# Altium PCB Starboard Solar Panel 2U.PcbDoc (continued)
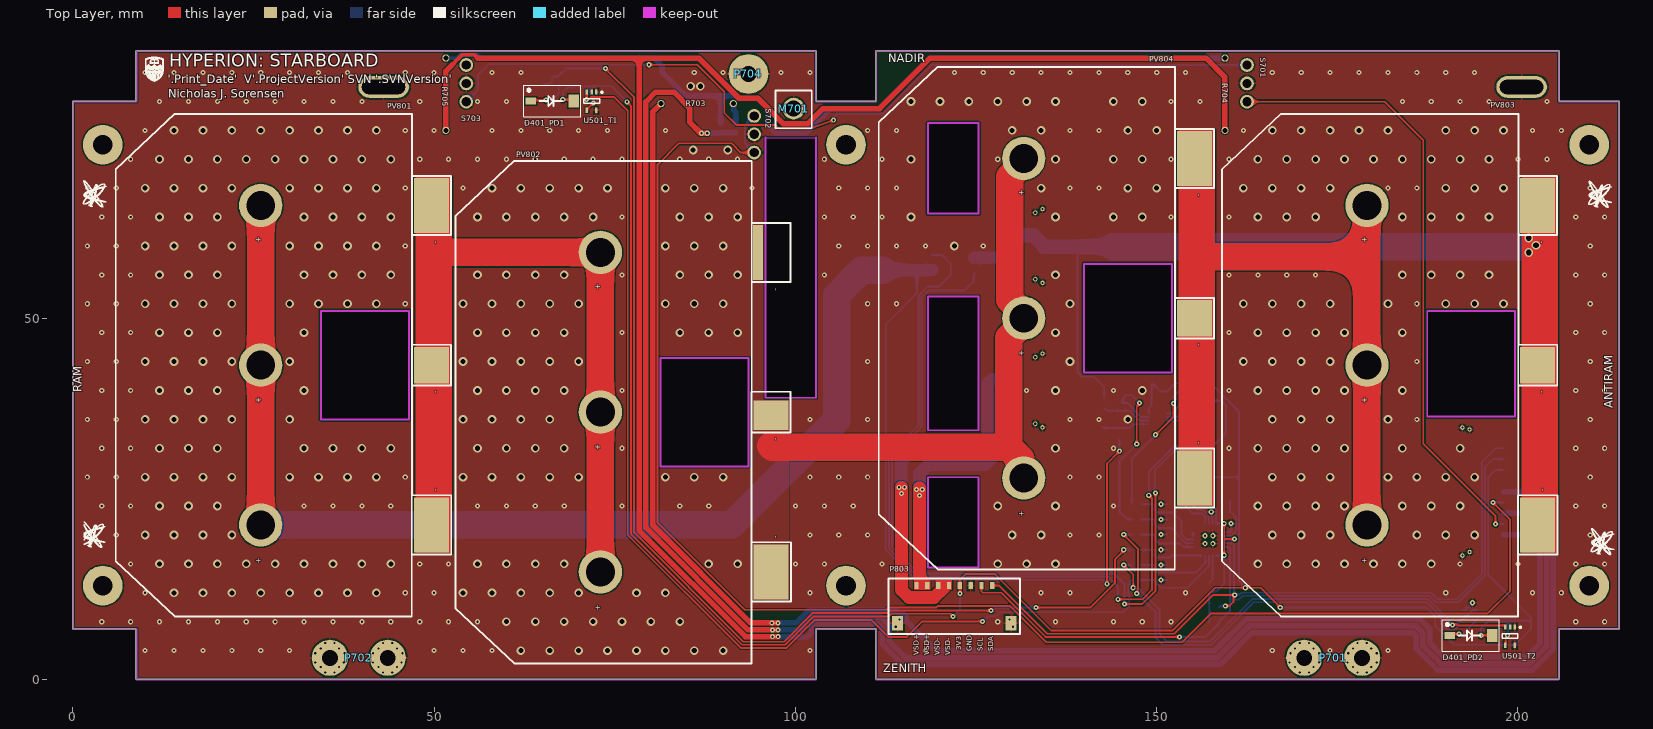
[diagram p0: Top Layer view]
## Part data (continued)
R701 R702: library part 13128, "RES SMD 0.0OHM JUMPER 1/10W 0603", Manufacturer Part Number=ERJ-3GEY0R00V, Power="0.1W, 1/10W", Supplier Part Number 1=P0.0GCT-ND, Temperature Coefficient=-, PackageDescription="Chip Resistor, 2-Leads, Body 1.60x0.80mm, IPC Low Density", PackageReference="0603 (1608 Metric)", Part Number=13128, Supplier 1=Digi-Key, Supplier Link=http://www.digikey.ca/product-search/en?keywords=P0.0GCT-ND, Tolerance=Jumper, Type=Jumper
R703 R704 R705: library part PR-VSH-00317, "21 Ohms ±1% 1W Through Hole Resistor Axial Flame Proof, Moisture Resistant, Safety Metal Film", Manufacturer Part Number=CPF121R000FKEE6, Power - Rated=1W, Supplier Part Number 1=CPF21.0CCT-ND, Temperature Coefficient=±100ppm/°C, Tolerance=±1%, Index=317, LatestRevisionDate=2/27/2020, LatestRevisionNote=..., PackageDescription="Chip Resistor", PackageReference=VSH-CPF1, Part Number=PR-VSH-00317, Published=2/27/2020, Publisher=AlbertaSat, Supplier 1=Digi-key, Supplier Link=#https://www.digikey.ca/product-detail/en/vishay-dale/CPF121R000FKEE6/CPF21.0CCT-ND/2713126#
S701 S702 S703: library part 20035, "SWITCH SNAP ACT SPDT 500MA 30V", Supplier Part Number 1=255-3743-ND, Manufacturer Part Number=AV4424, Part Number=20035, Supplier 1=Digi-Key, Supplier Link=#https://www.digikey.com/product-detail/en/panasonic-electric-works/AV4424/255-3743-ND/646766#
U201: library part PU-ADI-00006, "IC ADC 12BIT SAR 20LFCSP", Manufacturer Part Number=AD7291TCPZ-EP, Supplier Part Number 1=AD7291TCPZ-EP-ND, Index=6, LatestRevisionDate=2019-07-16, LatestRevisionNote=..., PackageDescription="QFN, 20-Leads, Body 4.00x4.00mm, Pitch 0.50mm, Thermal Pad 2.55x2.55mm, IPC Low Density", PackageReference="20-WFQFN Exposed Pad", Part Number=PU-ADI-00006, Published=2019-07-16, Publisher=AlbertaSat, Supplier 1=Digi-key, Supplier 2=Mouser, Supplier Link=#https://www.digikey.ca/products/en?keywords=AD7291TCPZ-EP-ND#, Supplier Part Number 2=584-AD7291TCPZ-EP
U501_T1 U501_T2: library part 136, "LOW-POWER HIGH-ACCURACY ANALOG O", Operating Temperature="-40°C~150°C (TJ)", Supplier Part Number 1=296-TMP235AEDCKRQ1CT-ND, Manufacturer Part Number=TMP235AEDCKRQ1, PackageReference=SC-70-5, Part Number=136, Supplier 1=Digi-Key, Supplier Link=#https://www.digikey.ca/en/products/detail/texas-instruments/TMP235AEDCKRQ1/11308802#

## Free pads (board coordinates)
  oval 7x3 hole 2 slot 6 at 0 deg: 5(43,82) 5(200.5,82)
  round 5.5 hole 2.7: CHASSIS(4.15,13) CHASSIS(4.15,74) CHASSIS(107,13) CHASSIS(107,74) CHASSIS(209.85,13) CHASSIS(209.85,74)

## Via types
v1: diameter 1.2, hole 0.7, Top Layer to Bottom Layer, 343 vias
v2: diameter 0.71, hole 0.3, Top Layer to Bottom Layer, tented both sides, 260 vias
v3: diameter 0.7, hole 0.3, Top Layer to Bottom Layer, tented both sides, 65 vias
v4: diameter 0.655, hole 0.3, Top Layer to Bottom Layer, 48 vias
v5: diameter 0.711, hole 0.33, Top Layer to Bottom Layer, tented top, 4 vias
v6: diameter 1.2, hole 0.8, Top Layer to Bottom Layer, tented both sides, 3 vias

## Nets (pads, with @x,y where several pads share a name; then routed paths per layer and width w, separated by ;. In a path a pad name is that pad's centre, name@x,y a point inside that pad or via, vN(x,y) a via of type N, cw(c..) or ccw(c..) an arc to the next point about the centre after c; other vN are vias at no path point)
3V3: C203.1 C204.2 C301.2 C401_PD1.2 C401_PD2.2 C501_T1.2 C501_T2.2 D401_PD1.2 D401_PD2.2 OP301.8 P801.7 P803.5 R101.2 R103.2 R104.2 U201.10 U201.13 U201.16 U501_T1.4 U501_T2.4 | length 339.2
  Top Layer w0.254: v3(67.8,80.25) 69.1,80.25 D401_PD1.2 ; U501_T1.4 71.15,78.917 72.008,79.774 v3(72.026,79.774) ; v3(76.7,79.95) 77.235,79.415 77.235,20.175 92.608,4.802 98.602,4.802 102.525,8.725 112.889,8.725 113.269,9.105 121.415,9.105 v3(121.825,8.695) ; v3(122.8,11.9) 122.775,11.925 122.775,12.975 P803.5 122.75,13.8 123.55,14.6 127.6,14.6 135.443,6.757 152.165,6.757 158.102,12.693 v3(162.261,12.693) 164.378,12.693 v3(167.1,9.971) ; v3(159.339,17.193) 159.339,19.385 ; v3@159.37,21.544 v3(159.339,21.576) 159.339,19.385 ; v3(160.781,19.434) 159.388,19.434 159.339,19.385 ; v3(194.9,6.1) D401_PD2.2 ; U501_T2.4 198.3,4.784 198.3,5.745 198.534,5.979 v3(198.534,6.1)
  Bottom Layer w0.254: v3(67.8,80.25) 67.8,81.25 68.471,81.921 69.209,81.921 C401_PD1.2 69.383,82.095 71.46,82.095 C501_T1.2 ; v3@72.025,79.775 72.025,80.759 71.465,81.319 C501_T1.2 ; v3(76.7,79.95) 74.55,82.1 C501_T1.2 ; v3(121.825,8.695) 121.825,8.725 122.8,9.7 v3(122.8,11.9) ; OP301.8 148.903,37.547 149.298,37.942 C301.2 149.568,40.873 150.598,39.843 151.389,39.843 152.539,40.993 157.481,40.993 161.371,37.104 161.371,27.993 ; R104.2 157.273,7.915 R101.2 ; R101.2@157.739,12.193 158.292,12.193 159.339,13.24 v3(159.339,17.193) 159.298,17.153 U201.16 ; v3(159.339,21.576) 158.252,21.576 U201.10 158.229,23.456 157.081,24.605 156.563,24.605 C204.2 156.563,25.518 157.413,26.368 C203.1 157.473,26.881 157.473,27.528 157.939,27.993 161.371,27.993 ; U201.13 159.452,19.376 160.722,19.376 v3(160.781,19.434) ; v3(162.261,12.693) 161.371,13.583 161.371,15.181 161.371,27.993 ; v3(167.1,9.971) 187.329,9.971 188.55,8.75 188.55,7.45 191.2,4.8 199.6,4.8 201.8,7 201.8,8.15 ; v3(194.9,6.1) 194.9,7.1 195.946,8.146 C401_PD2.2 198.596,8.146 C501_T2.2 ; P801.7 196.9,29 195.88,27.98 195.88,14.47 201.8,8.55 201.8,8.15 ; v3(198.534,6.1) 198.6,6.166 C501_T2.2 ; C501_T2.2 201.8,8.15
I_buffer_out: OP301.1 R304.2 R310.2 | length 26.6
  Top Layer w0.254: v3(149.839,33.873) 152.339,36.373 v3(152.339,38.207)
  Bottom Layer w0.254: R310.2 146.537,30.571 v3(149.839,33.873) ; OP301.1 152.023,36.823 154.373,39.173 R304.2 155.341,39.921 154.969,40.293 153.448,40.293 152.339,39.184 v3(152.339,38.207)
NetC201_2: C201.2 U201.8 | length 4.6
  Bottom Layer w0.254: C201.2 154.863,24.253 155.622,23.493 156.34,23.493 157.206,22.627 157.206,21.576 U201.8
NetC202_1: C202.1 U201.7 | length 7.1
  Bottom Layer w0.254: C202.1 154.013,23.924 154.943,22.993 156.229,22.993 156.729,22.493 U201.7
NetD401_PD1_1: D401_PD1.1 R400_PD1.2 | length 5.5
  Top Layer w0.254: D401_PD1.1 63.538,80.188 v3(65.5,80.188)
  Bottom Layer w0.254: v3(65.5,80.188) 66.288,80.188 67.25,81.15 67.25,82.274 R400_PD1.2
NetD401_PD2_1: D401_PD2.1 R400_PD2.2 | length 4.8
  Top Layer w0.254: D401_PD2.1 190.735,6.3 v3(191.848,6.3)
  Bottom Layer w0.254: v3(191.848,6.3) 192.35,6.3 R400_PD2.2
NetOP301_2: OP301.2 R303.2 R304.1 | length 7
  Bottom Layer w0.254: OP301.2 152.873,36.323 154.223,37.673 R304.1 155.641,37.373 R303.2
NetOP301_3: OP301.3 R308.2 R309.1 | length 6.7
  Bottom Layer w0.254: OP301.3 153.748,35.823 154.498,35.073 R308.2
NetOP301_5: OP301.5 R306.2 R307.1 | length 6.7
  Bottom Layer w0.254: R307.1 142.598,34.823 146.248,34.823 146.748,35.323 OP301.5
NetOP301_6: OP301.6 R301.2 R302.1 | length 6.9
  Bottom Layer w0.254: R301.2 143.102,37.198 R302.1 146.248,37.198 147.623,35.823 OP301.6
NetPV801_2: PV801.2 PV802.1 | length 68.6
  Top Layer w3.81: 49.622,59.111 PV802.1@74,59.111 ; PV802.1@73,14.889 73,37 PV802.1@73,59.111
NetPV802_2: PV802.2 PV804.1 | length 80.6
  Top Layer w3.81: 96.622,32.35 96.822,32.15 129.5,32.15 129.5,47.307 131.6,49.407 131.6,50.593 129.65,52.543 129.65,69.568 131.6,71.518 PV804.1@131.6,72.111 ; 129.5,32.218 131.181,30.537 131.181,28.308 PV804.1@131.6,27.889
NetPV803_1: PV803.1 PV804.2 | length 76.6
  Top Layer w3.81: PV804.2@155.222,50 155.222,58.5 179.1,58.5 ; PV803.1@179.1,21.389 179.1,43.5 179.1,58.5 ; PV803.1@179.1,65.611 179.1,58.5
NetR101_1: R101.1 U201.17 | length 4
  Bottom Layer w0.254: R101.1@157.26,13.393 157.739,13.872 157.739,17.143 U201.17
NetR102_1: R102.1 U201.12 | length 6.3
  Bottom Layer w0.254: U201.12 159.452,19.876 160.296,19.876 160.939,20.518 160.939,22.461 160.151,23.25 R102.1
NetR303_1: R303.1 R305.3 | length 122.3
  Top Layer w0.254: v3(145.539,10.446) 148.006,10.446 149.839,12.278 v3(149.839,25.793)
  Bottom Layer w0.254: R305.3 124.705,56.086 124.705,55.145 123.384,53.824 118.427,53.824 117.45,52.848 117.45,34.969 113.364,30.883 113.364,18.336 117.036,14.664 144.115,14.664 145.539,13.24 v3(145.539,10.446) ; v3(149.839,25.793) 149.839,25.796 149.741,25.893 149.741,28.986 152.349,31.593 157.069,31.593 159.576,34.1 159.576,37.942 158.944,38.573 R303.1
NetR305_4: R305.4 R308.1 | length 115.6
  Top Layer w0.254: v3(144.663,11.1) 148.05,11.1 149.339,12.389 149.339,25.058 v3(148.903,25.493)
  Bottom Layer w0.254: R305.4 120.237,58.77 121.5,57.507 121.5,56 119.9,54.4 118.35,54.4 117.45,53.5 117.45,53.47 117.018,53.039 117.018,35.148 112.932,31.062 112.932,18.158 116.858,14.232 143.268,14.232 144.663,12.837 v3(144.663,11.1) ; v3(148.903,25.493) 148.903,28.758 152.439,32.293 156.629,32.293 157.577,33.241 157.577,33.709 R308.1
NetR400_PD1_1: R400_PD1.1 R401_PD1.2 R402_PD1.2 | length 157.9
  Top Layer w0.254: v3(73.711,84.55) 77.667,80.594 77.667,20.354 92.787,5.234 98.424,5.234 102.408,9.218 112.771,9.218 113.09,9.537 v3(127.061,9.537) ; v3(133.3,9.95) 140.8,9.95 144.25,13.4 144.25,16.643 145.439,17.832 v3(145.439,17.953)
  Bottom Layer w0.254: R401_PD1.2 65.846,82.346 66.35,82.85 66.35,83.25 66.55,83.45 67.126,83.45 R400_PD1.1 67.321,83.595 68.276,84.55 v3(73.711,84.55) ; v3(127.061,9.537) 127.182,9.537 127.595,9.95 v3(133.3,9.95) ; v3(145.439,17.953) R402_PD1.2
NetR400_PD2_1: R400_PD2.1 R401_PD2.2 R402_PD2.2 | length 68.3
  Top Layer w0.254: v3(145.439,20.053) 147.403,18.089 147.403,12.422 147.324,12.344 147.324,11.985 v3(147.239,11.9)
  Bottom Layer w0.254: v3(145.439,20.053) R402_PD2.2 ; v3(147.239,11.9) 149.839,9.3 149.839,5.761 150.793,4.807 157.531,4.807 163.406,10.682 187.382,10.682 189.317,8.747 189.317,7.772 190.198,6.89 191.204,6.89 191.595,7.282 191.595,7.732 192.26,8.396 192.496,8.396 193.696,9.596 194.346,9.596 R400_PD2.1
NetR501_T1_2: R501_T1.2 U501_T1.3 | length 150.4
  Top Layer w0.254: v3(71.1,80.25) v3@71.125,80.275 ; U501_T1.3 71.125,81.291 v3@71.125,80.275 ; v3(125.899,8.049) 122.104,8.049 122.096,8.04 117.58,8.04 115.433,5.893 112.867,5.893 110.516,8.245 102.655,8.245 98.781,4.371 92.429,4.371 76.8,20 76.8,78.7 74.906,80.594 71.699,80.594 71.44,80.335 71.185,80.335 v3@71.125,80.275
  Bottom Layer w0.254: v3(125.899,8.049) 126.592,8.742 127.742,8.742 128.295,9.295 145.363,9.295 146.194,10.126 146.194,11.495 146.093,11.596 146.093,12.965 146.293,13.165 146.293,13.513 R501_T1.2
NetR501_T2_2: R501_T2.2 U501_T2.3 | length 65.7
  Top Layer w0.254: v3(145.439,15.842) 146.748,14.533 v3(146.748,12.693) ; v3(190.933,7.545) 191.018,7.631 191.604,7.631 191.63,7.656 191.791,7.495 198.154,7.495 198.25,7.398 U501_T2.3
  Bottom Layer w0.254: v3(145.439,15.842) R501_T2.2 ; v3(146.748,12.693) 146.833,12.608 147.457,12.608 150.373,9.692 150.373,6.307 151.441,5.239 157.352,5.239 159.856,7.743 163.263,11.15 187.524,11.15 190.424,8.25 190.424,8.07 190.933,7.562 v3(190.933,7.545)
NetR701_2: R701.2 R704.2 R705.2 | length 122.5
  Bottom Layer w0.508: R705.2 53.177,86 53.601,86.424 56.026,86.424 56.45,86
  Bottom Layer w0.762: 56.45,86 80.428,86 81.577,84.851 81.577,84.002 84.82,80.759 89.644,80.759 ; R701.2 89.644,76.956 89.644,80.759 ; R704.2 118.65,86 111.65,79 104.855,79 101.49,75.635 97.208,75.635 96.185,76.658 96.185,79.009 94.742,80.451 93.674,80.451 92.169,80.451 91.862,80.759 89.644,80.759
NetR702_2: R702.2 R703.2 | length 2.9
  Bottom Layer w0.762: R703.2 91.446,79.654 91.446,78.784 91.75,78.48 R702.2
NetS701_3: S701.3 S703.2 | length 120.6
  Top Layer w0.254: v3(79.718,85.078) 86.427,85.078 90.15,81.355 90.15,78.4 91.803,76.747 93.986,76.747 94.016,76.717 97.22,76.717 97.682,76.255 102.023,76.255 v3(105.271,77.404)
  Bottom Layer w0.254: S703.2 56.059,81.569 56.059,83.609 57.655,85.205 73.982,85.205 74.109,85.078 v3(79.718,85.078) ; v3(105.271,77.404) 105.186,77.489 105.186,77.681 105.169,77.697 105.52,78.048 105.52,78.07 105.7,78.25 105.7,78.314 112.1,78.314 118.826,85.04 S701.3
SCL: P801.8 P803.7 R104.1 U201.15 | length 104.4
  Top Layer w0.254: P803.7 125.75,12.164 125.899,12.015 128.485,12.015 134.607,5.893 v3(153.163,5.893)
  Bottom Layer w0.254: v3(153.163,5.893) 156.776,5.893 158.637,7.754 158.637,8.004 160.151,9.518 160.151,11.088 ; U201.15 160.029,18.353 160.151,18.231 160.151,11.088 ; P801.8 196.535,30.5 196.135,30.1 195.432,29.397 195.432,14.379 191.735,10.682 188.603,10.682 187.703,11.582 161.909,11.582 161.371,11.043 160.196,11.043 160.151,11.088
SDA: P801.9 P803.8 R103.1 U201.14 | length 105.6
  Top Layer w0.254: P803.8 128.2,13 134.875,6.325 152.452,6.325 157.825,11.698 160.631,11.698 v3(160.805,11.698) ; v3(159.496,10.18) 160.079,10.18 160.631,10.732 160.631,11.613 v3@160.716,11.698
  Bottom Layer w0.254: R103.1 158.848,10.18 v3(159.496,10.18) ; U201.14 160.48,18.853 160.716,18.616 v3@160.716,11.698 ; v3(160.805,11.698) 160.891,11.784 161.5,11.784 161.73,12.014 187.984,12.014 188.884,11.114 191.556,11.114 195,14.558 195,30.1 196.9,32 P801.9
StarboardKnifeReturn: P801.5 R704.1 R705.1 | length 369.2
  Top Layer w0.508: 52.45,85.04 53.851,86.441 55.588,86.441 56.03,86
  Top Layer w0.762: R705.1 51.622,84.212 52.45,85.04 ; 56.03,86 78.353,86 ; v3(96.822,5.92) v3(97.606,5.92) ; v3(96.822,5.92) 93.071,5.92 78.353,20.638 78.353,86 ; R704.1 159.45,83.35 156.8,86 118.65,86 111.65,79 103.798,79 101.739,76.941 98.311,76.941 94.787,80.465 92.156,80.465 86.621,86 78.353,86
  Bottom Layer w0.762: v3(96.822,5.92) v3(97.606,5.92) 101.718,5.92 102.164,6.366 102.164,7.284 102.566,7.686 111.434,7.686 112.046,7.073 112.046,4.875 114.821,2.1 158.808,2.1 163.208,6.5 185.464,6.5 185.91,6.054 185.91,4.266 188.927,1.25 201.95,1.25 204.9,4.2 204.9,21.719 200.619,26 P801.5
SwitchDeployable_S: P801.2 S701.2 | length 85
  Top Layer w0.254: S701.2 181.59,79.96 186.9,74.65 186.9,32.6 196.9,22.6 v3(196.9,21.5)
  Bottom Layer w0.254: v3(196.9,21.5) P801.2
SwitchUHF_S: P801.4 S702.2 S702.3 | length 214.7
  Top Layer w0.254: S702.3 92.452,72.92 91.167,74.205 83.865,74.205 80.918,71.258 80.918,21.701 92.969,9.65 112.593,9.65 112.911,9.968 119.507,9.968 119.73,10.191 129.659,10.191 134.7,5.15 153.55,5.15 157.55,9.15 195.8,9.15 198.9,12.25 198.9,22.135 v3(196.535,24.5)
  Bottom Layer w0.254: S702.3 93.043,74.177 93.043,76.743 S702.2 ; S702.2@94.3,77.573 S702.2 ; S702.2@94.3,78.582 S702.2 ; v3(196.535,24.5) P801.4
UHFKnifeReturn_S: P801.1 R703.1 | length 215.9
  Top Layer w0.762: R703.1 80.232,78.532 80.232,21.417 93.81,7.84 v3@96.722,7.84 ; v3@96.722,7.832 v3@96.731,7.823 ; v3(96.731,7.831) v3(97.581,7.831)
  Bottom Layer w0.762: v3(96.731,7.831) v3(97.581,7.831) 100.053,7.831 101.787,9.565 113.905,9.565 114.261,9.209 114.771,9.209 115.304,8.676 115.304,8.166 119.49,3.98 158.03,3.98 162.43,8.38 186.429,8.38 187.79,7.018 187.79,5.045 189.705,3.13 201.171,3.13 203.02,4.979 203.02,17.58 200.6,20 P801.1
V+: PV801.1 R305.1 R306.1 | length 255.7
  Top Layer w0.254: v3(143.138,13.24) 143.138,29.892 v3(144.839,31.593)
  Top Layer w3.81: PV801.1@26,21.389 26,43.5 PV801.1@26,65.611
  Bottom Layer w0.254: 116.8,56.665 116.8,53.431 112.5,49.131 112.5,17.979 116.679,13.8 142.643,13.8 142.643,13.734 v3(143.138,13.24) ; v3(144.839,31.593) 144.839,33.164 R306.1
  Bottom Layer w1.651: 112.1,56.665 116.8,56.665 R305.1
  Bottom Layer w3.81: PV801.1@26,21.389 91.178,21.389 105.7,35.911 105.7,53.165 109.2,56.665 112.1,56.665
V-: P805.1 P805.2 PV803.2 R301.1 | length 97.2
  Bottom Layer w0.254: 139.192,59.9 139.05,59.758 139.05,42.5 139.65,41.9 141.3,41.9 142.752,40.448 R301.1
  Bottom Layer w2.032: 129.25,61.5 132.9,61.5 134.5,59.9 ; 129.275,61.55 129.275,61.609 ; 134.385,59.9 134.5,59.9 ; 144,59.9 139.192,59.9 134.5,59.9
  Bottom Layer w3.81: 144,59.9 v6@202.25,59.9
  other v6: 201.5,59.1 202.5,60.1 201.5,61.1
V_buffer_out: OP301.7 R302.2 R311.2 | length 26.5
  Top Layer w0.254: v3(147.239,32.593) 147.239,37.769 147.623,38.153 v3(147.623,38.273)
  Bottom Layer w0.254: R311.2 145.939,22.153 144.848,23.243 144.848,30.203 v3(147.239,32.593) ; v3(147.623,38.273) 146.568,39.328 145.727,39.328 145.39,38.991 145.39,38.671 145.117,38.398 R302.2 145.227,38.273 145.939,38.273 147.889,36.323 OP301.7
V_out: P805.3 P805.4 R305.2 | length 4.5
  Bottom Layer w1.651: R305.2 124.705,58.392 128.5,58.392 129.193,58.392
VIN0: C502_T1.2 R501_T1.1 U201.18 | length 12.7
  Bottom Layer w0.254: R501_T1.1 149.741,13.761 149.741,13.561 150.286,13.015 150.608,12.693 154.243,12.693 157.229,15.679 U201.18
VIN1: C502_T2.2 R501_T2.1 U201.19 | length 11.3
  Bottom Layer w0.254: R501_T2.1 C502_T2.2 ; C502_T2.2 149.736,15.096 150.039,14.793 155.379,14.793 156.729,16.143 U201.19
VIN2: C402_PD1.2 R402_PD1.1 U201.20 | length 9.4
  Bottom Layer w0.254: R402_PD1.1 149.736,17.952 149.736,17.147 149.99,16.893 151.839,16.893 152.098,17.153 U201.20
VIN3: C402_PD2.2 R402_PD2.1 U201.1 | length 8.3
  Bottom Layer w0.254: R402_PD2.1 C402_PD2.2 149.737,19.439 150.373,18.803 153.298,18.803 153.748,18.353 U201.1
VIN4: C303.2 R311.1 U201.2 | length 9
  Bottom Layer w0.254: R311.1 C303.2 149.737,21.495 150.255,20.977 151.984,20.977 153.016,19.945 153.016,19.874 153.969,18.921 154.04,18.921 154.108,18.853 U201.2
VIN5: C302.2 R310.1 U201.3 | length 10.7
  Bottom Layer w0.254: R310.1 C302.2 149.737,23.504 150.148,23.093 152.248,23.093 153.448,21.894 153.448,20.053 154.148,19.353 U201.3
VIN6: C201.1 C202.2 C203.2 C204.1 C301.1 C302.1 C303.1 C401_PD1.1 C401_PD2.1 C402_PD1.1 C402_PD2.1 C501_T1.1 C501_T2.1 C502_T1.1 C502_T2.1 M701.1 OP301.4 OP301.9 P701.1 P702.1 P704.1 P801.6 P801.M1 P801.M2 P803.6 P803.M1 P803.M2 P804.M1 P804.M2 P805.M1 P805.M2 pad.5 R102.2 R307.2 R309.2 R401_PD1.1 R401_PD2.1 S701.1 S702.1 S703.1 U201.4 U201.5 U201.6 U201.9 U201.11 U201.21 U501_T1.1 U501_T1.2 U501_T1.5 U501_T2.1 U501_T2.2 U501_T2.5 | length 11.2
  Bottom Layer w0.254: v3(150.595,15.842) C502_T2.1@151.434,15.842 ; v3(150.596,17.953) C402_PD1.1@151.435,17.953 ; v3(150.596,20.053) C402_PD2.1@151.435,20.053 ; v3(150.596,22.153) C303.1@151.435,22.153 ; v3(150.598,24.253) C302.1 ; v3(150.6,13.76) C502_T1.1@151.44,13.76 ; U201.4 U201.5 ; v3(157.552,23.207) 157.439,23.093 157.729,22.803 U201.9 ; U201.11 159.452,20.376 160.052,20.376 160.411,20.735 160.411,20.82 160.369,20.862 160.369,21.49 v3(160.284,21.576) ; R401_PD2.1 192.675,9.596 v3(193.696,10.617)
  other v1: 62,4 66,4 70,4 74,4 78,4 82,4 86,4 90,4 60,8 64,8 68,8 72,8 76,8 80,8 84,8 14,12 18,12 22,12 26,12 30,12 34,12 38,12 42,12 54,12 58,12 62,12 66,12 70,12 78,12 82,12 12,16 16,16 20,16 24,16 28,16 32,16 36,16 40,16 44,16 56,16 60,16 64,16 68,16 88,16 92,16 128,16 132,16 136,16 164,16 168,16 172,16 176,16 180,16 184,16 188,16 10,20 14,20 18,20 22,20 130,20 134,20 166,20 170,20 174,20 186,20 190,20 194,20 12,24 16,24 20,24 128,24 136,24 164,24 168,24 172,24 176,24 184,24 188,24 192,24 10,28 14,28 18,28 22,28 30,28 34,28 38,28 42,28 54,28 58,28 62,28 66,28 70,28 82,28 86,28 90,28 166,28 170,28 174,28 182,28 186,28 190,28 194,28 12,32 16,32 20,32 32,32 36,32 40,32 44,32 56,32 60,32 64,32 68,32 136,32 164,32 168,32 172,32 176,32 184,32 192,32 10,36 14,36 18,36 22,36 30,36 54,36 58,36 62,36 66,36 146,36 166,36 170,36 174,36 182,36 12,40 16,40 20,40 32,40 56,40 60,40 64,40 68,40 136,40 148,40 164,40 168,40 172,40 176,40 184,40 10,44 14,44 18,44 22,44 30,44 54,44 58,44 62,44 66,44 70,44 138,44 162,44 166,44 170,44 174,44 12,48 16,48 20,48 32,48 56,48 60,48 64,48 68,48 84,48 88,48 92,48 136,48 164,48 168,48 172,48 176,48 184,48 10,52 14,52 18,52 22,52 30,52 34,52 38,52 42,52 54,52 58,52 62,52 66,52 70,52 82,52 86,52 90,52 138,52 162,52 166,52 170,52 174,52 182,52 190,52 194,52 198,52 12,56 16,56 20,56 32,56 36,56 40,56 44,56 56,56 60,56 64,56 68,56 84,56 88,56 92,56 136,56 184,56 188,56 192,56 196,56 10,60 14,60 18,60 22,60 30,60 34,60 38,60 42,60 82,60 86,60 90,60 122,60 12,64 16,64 20,64 32,64 36,64 40,64 44,64 56,64 60,64 64,64 68,64 72,64 84,64 88,64 92,64 116,64 136,64 144,64 148,64 164,64 168,64 172,64 184,64 188,64 192,64 196,64 10,68 14,68 18,68 22,68 30,68 34,68 38,68 42,68 58,68 62,68 66,68 70,68 74,68 82,68 86,68 90,68 134,68 146,68 150,68 162,68 166,68 170,68 174,68 190,68 194,68 198,68 12,72 16,72 20,72 24,72 28,72 32,72 36,72 40,72 44,72 116,72 136,72 144,72 148,72 164,72 168,72 172,72 176,72 180,72 184,72 188,72 192,72 196,72 85.839,73.29 90.634,73.29 14,76 18,76 22,76 26,76 30,76 34,76 38,76 42,76 130,76 134,76 146,76 150,76 166,76 170,76 174,76 178,76 182,76 190,76 194,76 198,76 116,80 120,80 124,80 128,80 132,80 136,80 144,80 148,80 85.5,82.1 86.839,82.1
  other v2: 10,4 14,4 18,4 22,4 26,4 30,4 50,4 54,4 58,4 102,4 118,4 166,4 174,4 182,4 4,8 8,8 12,8 16,8 20,8 24,8 28,8 32,8 36,8 40,8 44,8 48,8 52,8 56,8 128,8 136,8 144,8 148,8 152,8 208,8 212,8 10,12 46,12 50,12 102,12 134,12 138,12 154,12 190,12 202,12 206,12 8,16 48,16 52,16 100,16 104,16 112,16 192,16 200,16 208,16 212,16 2,20 6,20 102,20 106,20 110,20 138,20 142,20 210,20 4,24 8,24 32,24 36,24 40,24 44,24 56,24 60,24 64,24 68,24 76,24 84,24 88,24 100,24 104,24 108,24 144,24 208,24 212,24 2,28 6,28 46,28 102,28 106,28 110,28 138,28 142,28 210,28 4,32 8,32 76,32 144,32 160,32 208,32 212,32 2,36 6,36 102,36 110,36 138,36 142,36 186,36 210,36 4,40 8,40 76,40 132,40 144,40 160,40 208,40 212,40 2,44 6,44 110,44 186,44 210,44 4,48 8,48 76,48 160,48 208,48 212,48 2,52 6,52 46,52 110,52 114,52 186,52 210,52 4,56 8,56 76,56 104,56 160,56 164,56 168,56 172,56 208,56 212,56 2,60 6,60 46,60 106,60 110,60 114,60 118,60 126,60 210,60 4,64 8,64 76,64 104,64 108,64 112,64 152,64 160,64 208,64 212,64 2,68 6,68 46,68 54,68 94,68 106,68 110,68 114,68 138,68 142,68 182,68 186,68 210,68 8,72 48,72 52,72 56,72 60,72 64,72 68,72 72,72 76,72 84,72 88,72 92,72 104,72 112,72 128,72 152,72 160,72 200,72 204,72 10,76 46,76 50,76 58,76 62,76 66,76 70,76 74,76 82,76 110,76 114,76 138,76 142,76 162,76 202,76 206,76 12,80 16,80 20,80 24,80 28,80 32,80 36,80 40,80 48,80 56,80 60,80 152,80 156,80 184,80 188,80 192,80 196,80 204,80 10,84 14,84 18,84 22,84 26,84 30,84 34,84 38,84 46,84 50,84 58,84 62,84 86,84 90,84 98,84 102,84 122,84 126,84 130,84 134,84 138,84 142,84 146,84 150,84 154,84 166,84 170,84 174,84 178,84 182,84 186,84 190,84 194,84
  other v4: 34.94,0.968 36.21,0.968 42.94,0.968 44.21,0.968 169.79,0.968 171.06,0.968 177.79,0.968 179.06,0.968 34.305,1.73 36.845,1.73 42.305,1.73 44.845,1.73 169.155,1.73 171.695,1.73 177.155,1.73 179.695,1.73 33.543,2.365 37.48,2.365 41.543,2.365 45.48,2.365 168.393,2.365 172.457,2.365 176.393,2.365 180.457,2.365 33.543,3.635 37.607,3.635 41.543,3.635 45.607,3.635 168.52,3.635 172.457,3.635 176.52,3.635 180.457,3.635 34.305,4.27 36.845,4.27 42.305,4.27 44.845,4.27 169.155,4.27 171.695,4.27 177.155,4.27 179.695,4.27 34.94,5.032 36.21,5.032 42.94,5.032 44.21,5.032 169.79,5.032 171.06,5.032 177.79,5.032 179.06,5.032
  other v5: 156.679,18.803 157.779,18.803 156.679,19.903 157.779,19.903
VKnife: P801.3 R701.1 R702.1 | length 240.7
  Top Layer w0.762: v3(87.8,75.6) v3(87,75.6) 86.9,75.6 85.35,77.15 85.35,79.108 83.167,81.291 80.65,81.291 79.293,79.934 79.293,21.028 93.46,6.86 v3@97.54,6.86
  Bottom Layer w0.762: v3(87,75.6) v3(87.8,75.6) 89.33,75.6 89.374,75.644 89.644,75.644 R701.1 R702.1 ; v3(96.822,6.86) v3(97.58,6.86) 100.778,6.86 101.224,7.306 101.224,7.673 102.177,8.626 111.823,8.626 112.986,7.463 112.986,5.264 115.21,3.04 158.419,3.04 162.819,7.44 185.853,7.44 186.85,6.443 186.85,4.656 189.316,2.19 201.561,2.19 203.96,4.589 203.96,19.943 200.903,23 P801.3
VStarD+: P803.1 P803.2 P804.3 P804.4 | length 34.2
  Top Layer w1.778: 117.156,26.529 v3(117.156,25.45) 117.156,14.132 117.5,13.788
  Bottom Layer w1.524: 128.5,31.932 P804.4
  Bottom Layer w1.778: v3@117.156,25.75 117.156,28.494 118.406,29.744 126.312,29.744 128.5,31.932
  other v3: 116.75,26.3 117.55,26.3
VStarD-: P803.3 P803.4 P804.1 P804.2 | length 48.2
  Top Layer w1.778: v3@114.665,26.6 v3(114.665,25.75) 114.665,12.375 115.706,11.333 119.183,11.333 120.55,12.7
  Bottom Layer w1.778: v3@114.65,26.05 114.65,30.24 116.429,32.02 125.591,32.02 126.632,33.061 126.632,40.932 127.2,41.5 128.25,41.5
  other v3: 114.321,26.6 115.1,26.6
pads on no net: S703.3

## Polygon pours and split planes (outlines as drawn)
VIN6 on Top Layer "NONET_L04_P-001" (solid, remove dead copper, pour order 4): -6.4,96 -0.1,89.7 219.4,89.7 219.4,3.6 223,0 -6.8,0
NetPV802_2 on Top Layer "NETPV802_2_L01_P002" (solid, remove dead copper, pour order 2): 95.611,11.008 95.653,11.05 99.05,11.05 99.05,38.65 95.617,38.65 95.619,50.2 95.619,63.039 94.1,63.039 94.1,11
VIN6 on Bottom Layer "NONET_L04_P-001" (solid, remove dead copper, pour order 1): -6.4,96 -0.1,89.7 219.4,89.7 219.4,3.6 223,0 -6.8,0

## Keep-outs
Bottom Layer:
  rectangle: 138.6,0.5 141.3,41.25
  rectangle: 138.6,58.15 141.3,86.3
  region: 88.1,77.95 76.6,77.95 76.6,61.5 76.6,54 76.6,40.4 76.6,31.5 76.6,19.7 76.6,8.6 76.5,8.5 76.5,0.6 88,0.6 88,29.15 81,29.15 81,44.9 88.1,44.9
Keep-Out Layer:
  lines w0.254: 95.85,75 95.85,39 102.85,39 102.85,75 ; 205.7,7 205.7,0.1 205.6,0 111.15,0 111.15,7 102.85,7 102.85,0 8.8,0 8.8,7 0,7 0,80 8.8,80 8.8,87 102.85,87 102.85,80 111.15,80 111.15,87 205.7,87 205.7,80 214,80 214,7 205.827,7 ; 34.35,36 34.35,51 46.5,51 46.5,36 34.35,36 ; 81.35,29.5 93.5,29.5 93.5,44.5 81.35,44.5 81.35,29.5 ; 118.35,15.5 125.35,15.5 125.35,28 118.35,28 118.35,15.5 ; 118.35,34.5 125.35,34.5 125.35,53 118.35,53 118.35,34.5 ; 118.35,64.5 118.35,77 125.35,77 125.35,64.5 118.35,64.5 ; 139.95,42.5 152.1,42.5 152.1,57.5 139.95,57.5 139.95,42.5 ; 187.45,36.4 199.6,36.4 199.6,51 187.45,51 187.45,36.4

## Other copper
Top Layer:
  region net NetPV801_2: 52.45,69.6 47.4,69.6 47.4,17.5 52.45,17.5
  rectangle net VStarD-: 119.4,12.4 121.7,13.8
  rectangle net VStarD+: 116.4,12.4 118.7,13.8
  region net V-: 205.55,69.6 200.5,69.6 200.5,17.5 205.55,17.5
  region net NetPV803_1: 158.05,76.1 153,76.1 153,24 158.05,24
Bottom Layer:
  rectangle net V-: 128,60.4 130.55,62.7
  rectangle net V_out: 128,57.3 130.55,59.6
  rectangle net VStarD-: 127.704,40.35 129.296,42.65
  rectangle net VStarD+: 127.704,37.4 129.296,39.7

## Silkscreen, mask and mechanical layers (free items; w line width, h text height)
Top Overlay:
  drawing of 4304 lines, arcs and shapes, not listed
  text "NADIR" at 112.85,85 h2
  text "HYPERION: STARBOARD" at 13.34,84.182 h3
  text "'.Print_Date'  V'.ProjectVersion' SVN '.SVNVersion'" at 13.15,82.1 h2
  text "Nicholas J. Sorensen" at 13.167,80.07 h2
  text "RAM" at 1.641,39.725 h2 r90
  text "ANTIRAM" at 213.541,37.56 h2 r90
  text "3V3" at 122.929,4.034 h0.7 r90
  text "GND" at 124.399,3.934 h0.7 r90
  text "SCL" at 125.899,3.934 h0.7 r90
  text "SDA" at 127.399,3.934 h0.7 r90
  text "VSD+" at 117.049,3.334 h0.7 r90
  text "VSD+" at 118.519,3.334 h0.7 r90
  text "VSD-" at 119.989,3.334 h0.7 r90
  text "VSD-" at 121.459,3.334 h0.7 r90
  text "ZENITH" at 112.15,0.582 h2
Bottom Overlay:
  text "NADIR" at 121.3,85 h2
  text "VS+" at 139.3,61.75 h0.7
  text "VS+" at 139.3,60.45 h0.7
  text "VS-" at 139.3,59 h0.7
  text "VS-" at 139.3,57.75 h0.7
  text "ANTIRAM" at 213.541,49.44 h2 r90
  text "RAM" at 1.641,47.275 h2 r90
  text "VSD+" at 139.5,41.5 h0.7
  text "VSD+" at 139.5,40.15 h0.7
  text "VSD-" at 139.5,38.8 h0.7
  text "VSD-" at 139.5,37.35 h0.7
  text "SDA" at 201.68,31.5 h0.7
  text "SCL" at 201.68,29.9 h0.7
  text "3V3" at 201.68,28.5 h0.7
  text "GND_OBC" at 204.48,27.017 h0.7
  text "StarKnifeReturn" at 210.294,25.3 h0.7
  text "SwitchUHF_S" at 207.045,24.017 h0.7
  text "VKnife" at 203.547,22.5 h0.7
  text "SwitchDeployable_S" at 211.711,21.133 h0.7
  text "UHFKnifeReturn_S" at 210.428,19.517 h0.7
  text "ZENITH" at 121.85,0.582 h2
Mechanical 1:
  lines w0.254: 205.7,0 111.15,0 111.15,7 102.85,7 102.85,0 8.8,0 8.8,7 0,7 0,80 8.8,80 8.8,87 102.85,87 102.85,80 111.15,80 111.15,87 205.7,87 205.7,80 214,80 214,7 205.7,7 205.7,0.127 ; 93.5,29.5 93.5,44.5 81.35,44.5 81.35,29.5 93.5,29.5 ; 93.5,29.5 93.5,29.5 ; 34.35,36 34.35,51 46.5,51 46.5,36 34.35,36 ; 95.85,39 95.85,75 102.85,75 102.85,39 95.85,39 ; 118.35,15.5 118.35,28 125.35,28 125.35,15.5 118.35,15.5 ; 118.35,34.5 125.35,34.5 125.35,53 118.35,53 118.35,34.5 ; 118.35,64.5 125.35,64.5 125.35,77 118.35,77 118.35,64.5 ; 139.95,42.5 139.95,57.5 152.1,57.5 152.1,42.5 139.95,42.5 ; 187.45,36.4 199.6,36.4 199.6,51 187.45,51 187.45,36.4

## Text inside footprints (layer, text, board x,y; h text height)
PV801: Top Overlay "-" at 50,60.645 h0.7 r270; Top Overlay "-" at 50,39.944 h0.7 r270; Top Overlay "-" at 50.028,26.406 h0.7 r270; Top Overlay "+" at 25.365,61.28 h0.7 r270; Top Overlay "+" at 25.365,39.055 h0.7 r270; Top Overlay "+" at 25.365,16.83 h0.7 r270
PV802: Top Overlay "+" at 72.365,10.33 h0.7 r270; Top Overlay "+" at 72.365,32.555 h0.7 r270; Top Overlay "+" at 72.365,54.78 h0.7 r270; Top Overlay "-" at 97.028,19.906 h0.7 r270; Top Overlay "-" at 97,33.444 h0.7 r270; Top Overlay "-" at 97,54.145 h0.7 r270
PV803: Top Overlay "-" at 203.1,60.645 h0.7 r270; Top Overlay "-" at 203.1,39.944 h0.7 r270; Top Overlay "-" at 203.128,26.406 h0.7 r270; Top Overlay "+" at 178.465,61.28 h0.7 r270; Top Overlay "+" at 178.465,39.055 h0.7 r270; Top Overlay "+" at 178.465,16.83 h0.7 r270
PV804: Top Overlay "+" at 130.965,23.33 h0.7 r270; Top Overlay "+" at 130.965,45.555 h0.7 r270; Top Overlay "+" at 130.965,67.78 h0.7 r270; Top Overlay "-" at 155.628,32.906 h0.7 r270; Top Overlay "-" at 155.6,46.444 h0.7 r270; Top Overlay "-" at 155.6,67.145 h0.7 r270